# Altium PCB OFDMT1.PcbDoc (part 1 of 3)
Units mm, origin at the board's own origin, x right, y up, seen from the top; angles counter-clockwise.
Board outline 40.21 x 28.18 mm, 6 copper layers (Top Layer, GND1, SIGNAL, POWER, GND2, Bottom Layer), stack 0.816 mm thick; 270 components, 194 nets, 1281 pads, 664 vias.
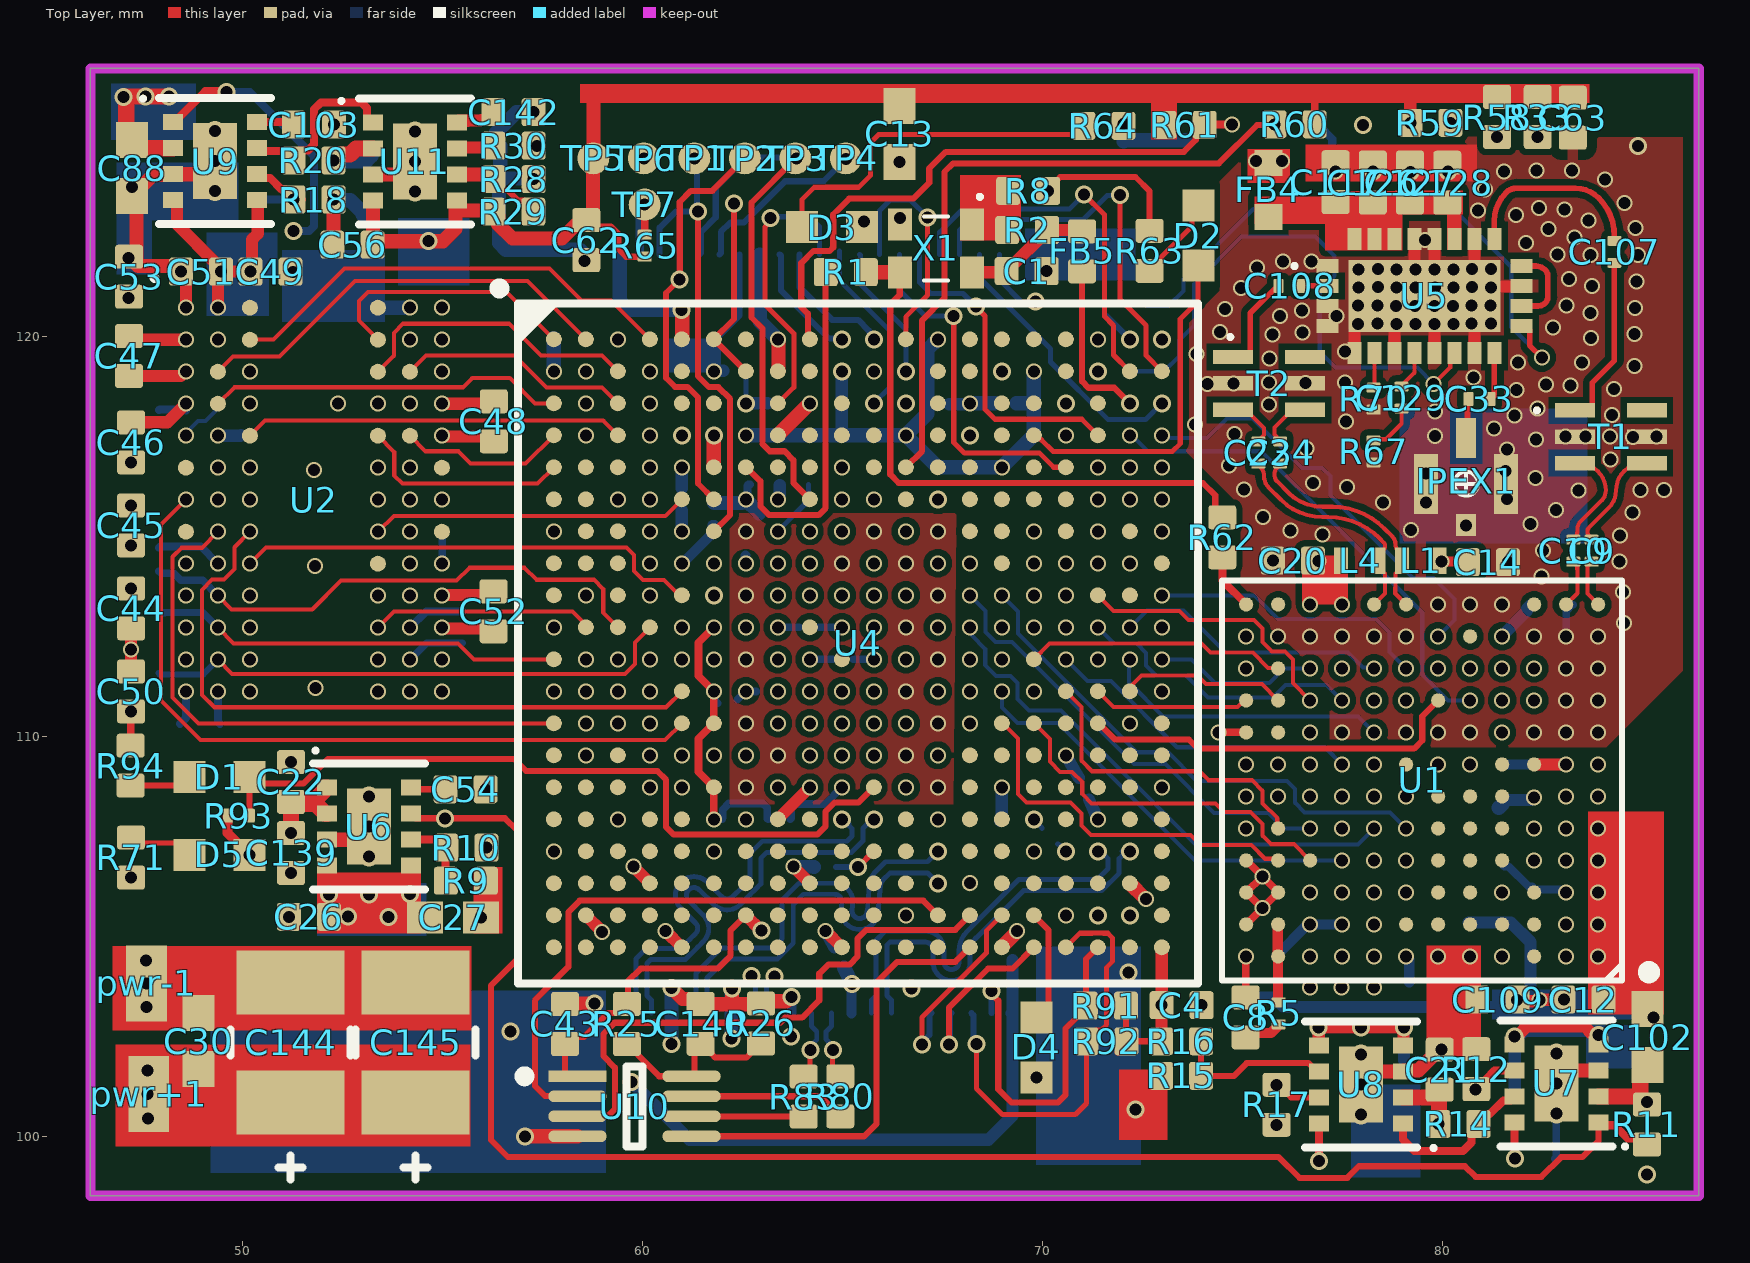
[diagram p0: Top Layer view]
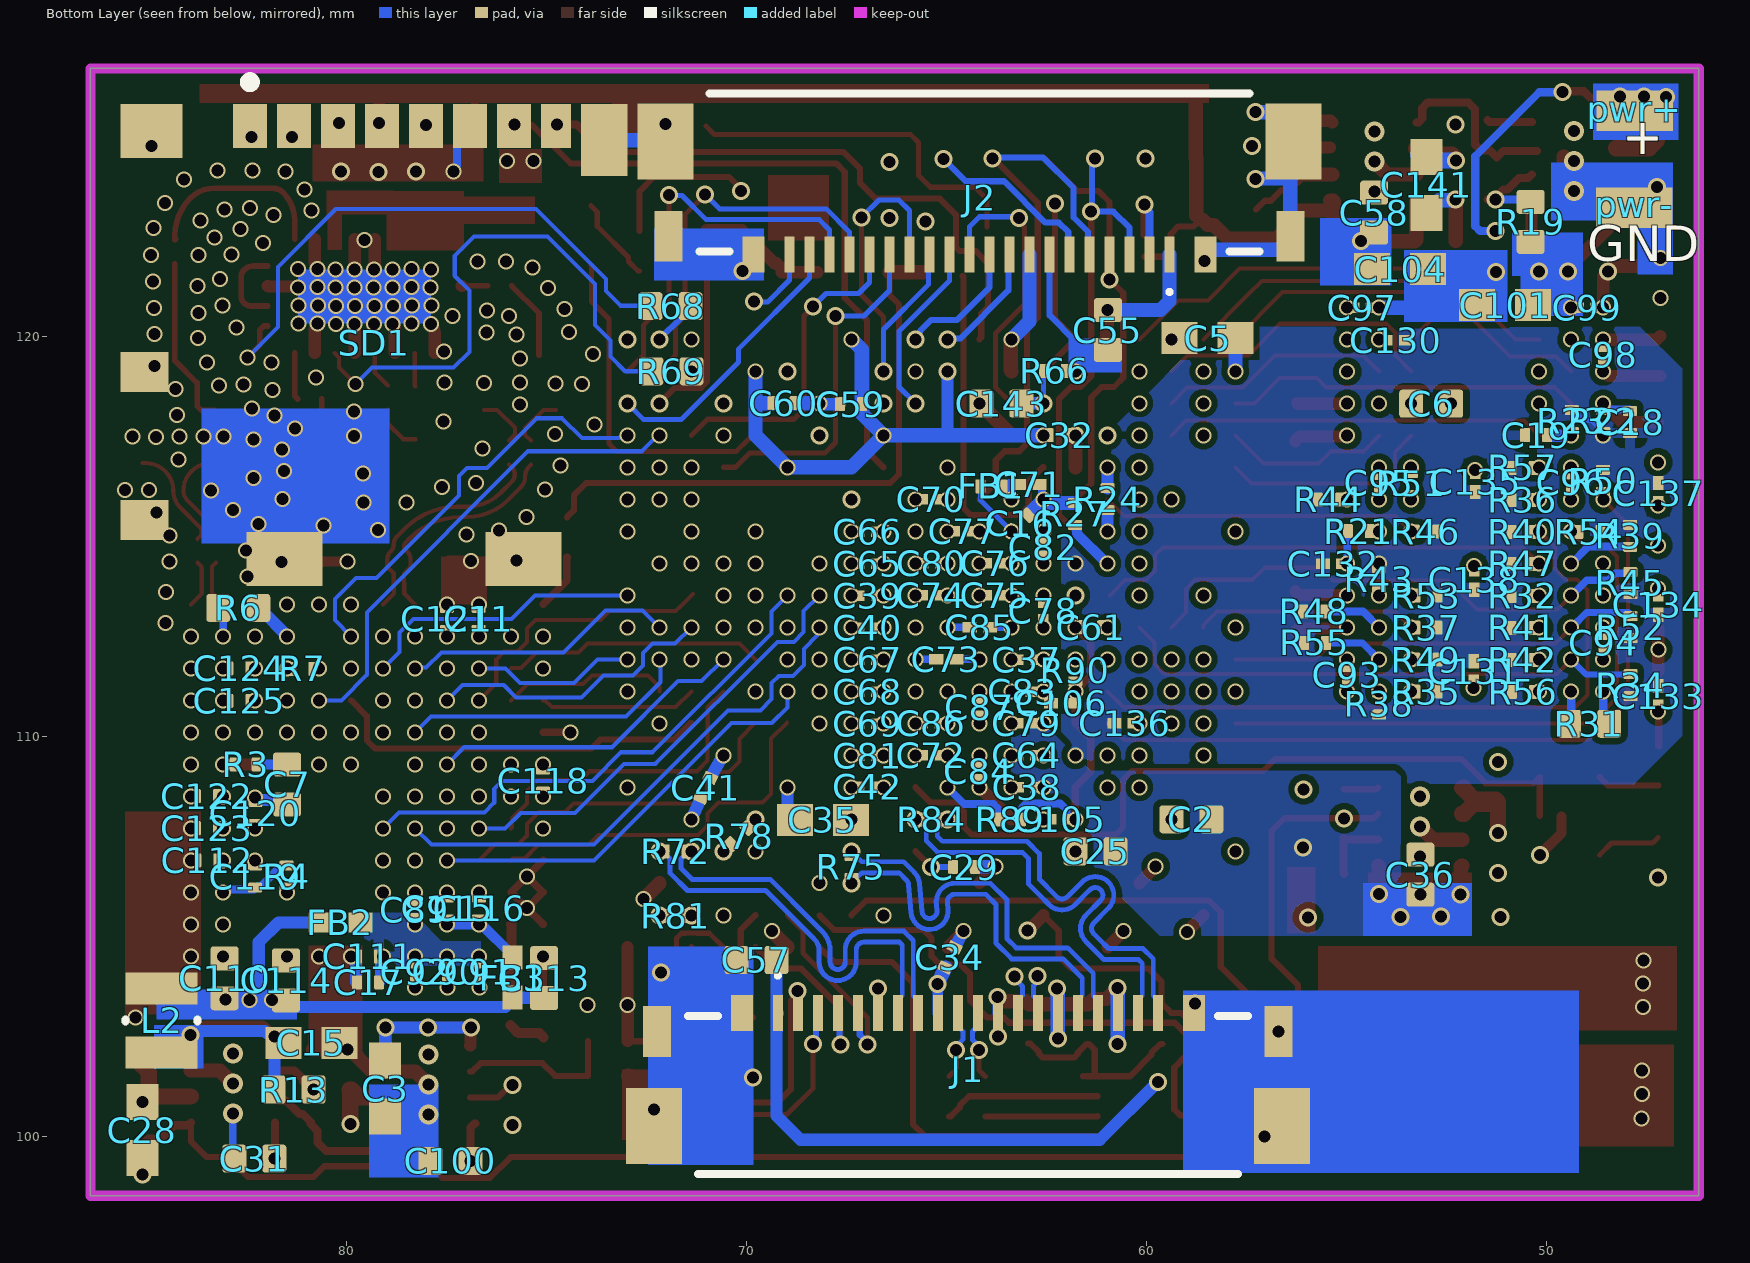
[diagram p1: Bottom Layer view, seen from below]
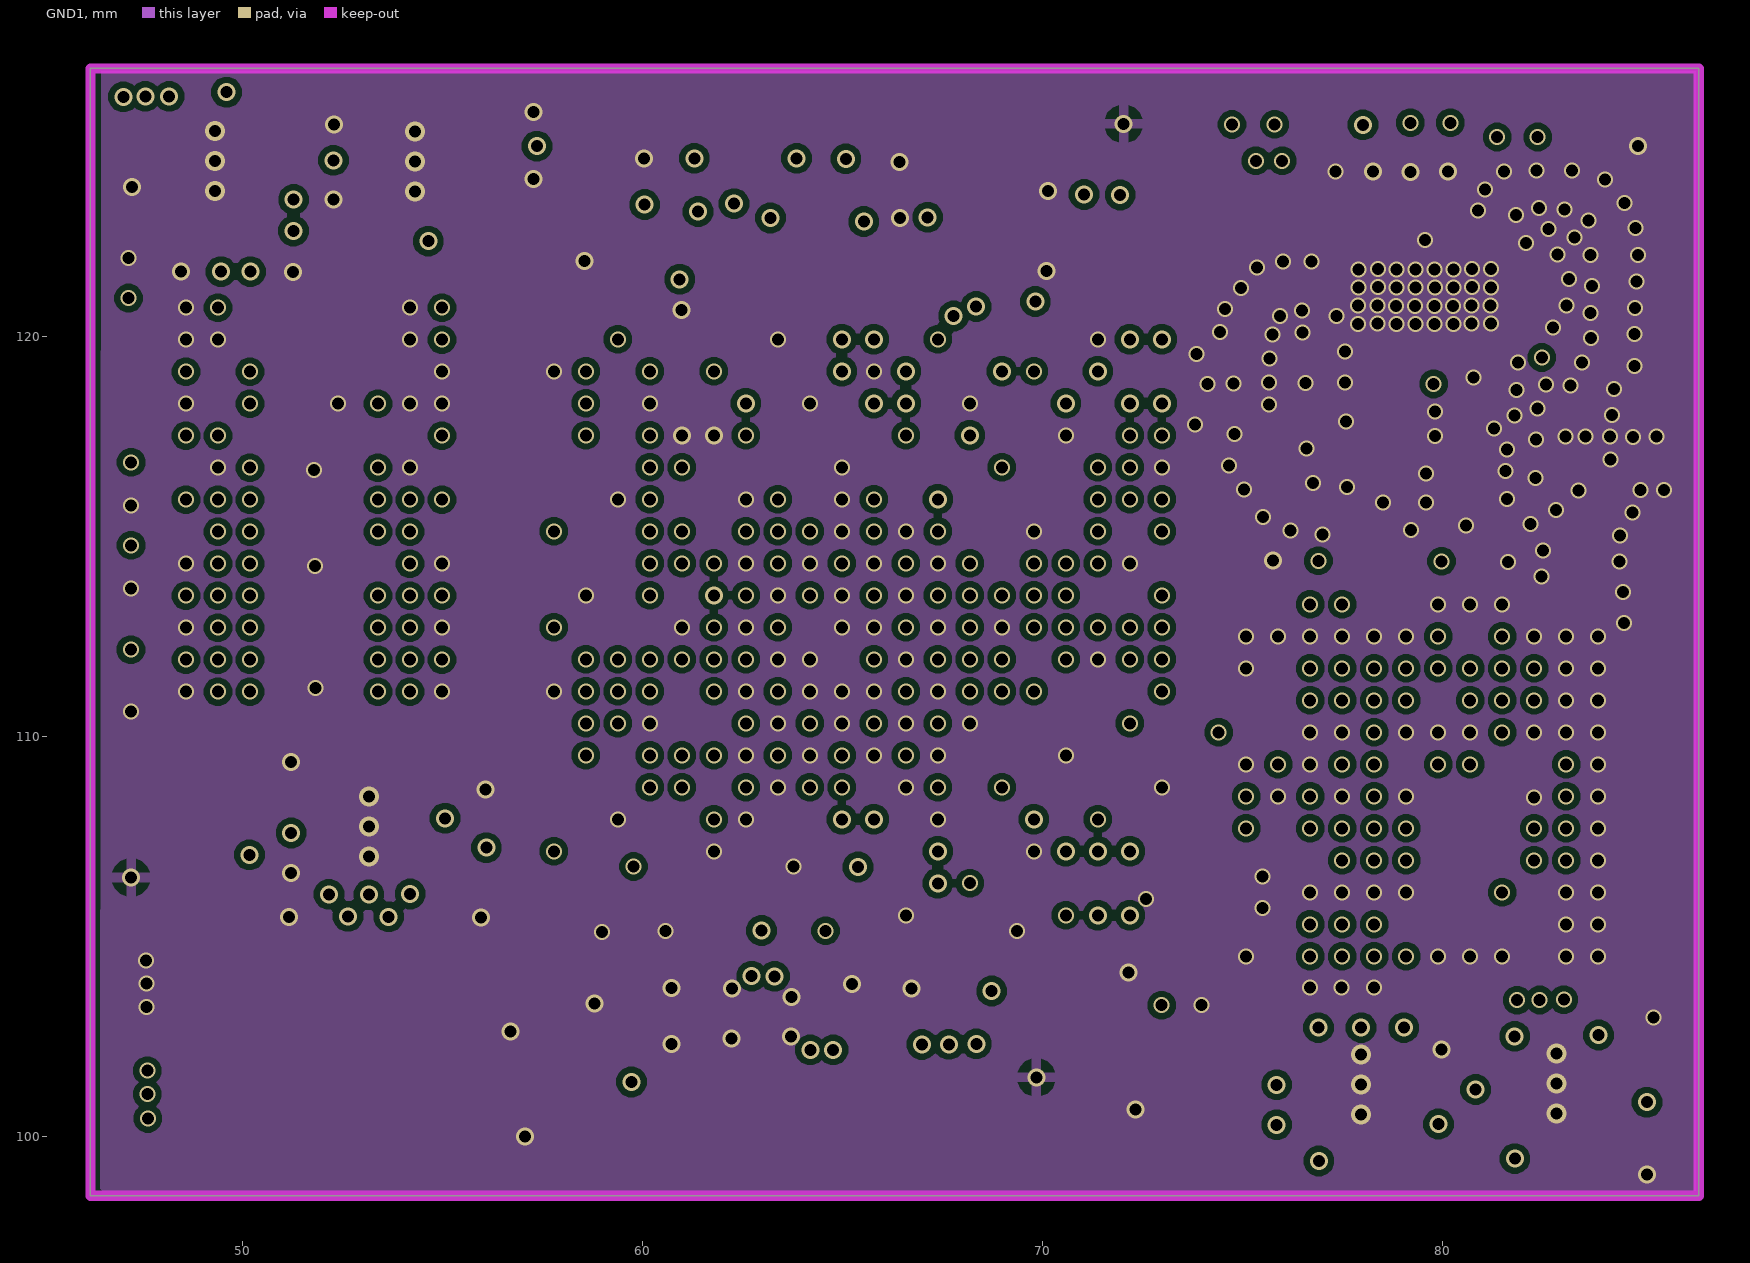
[diagram p2: GND1]
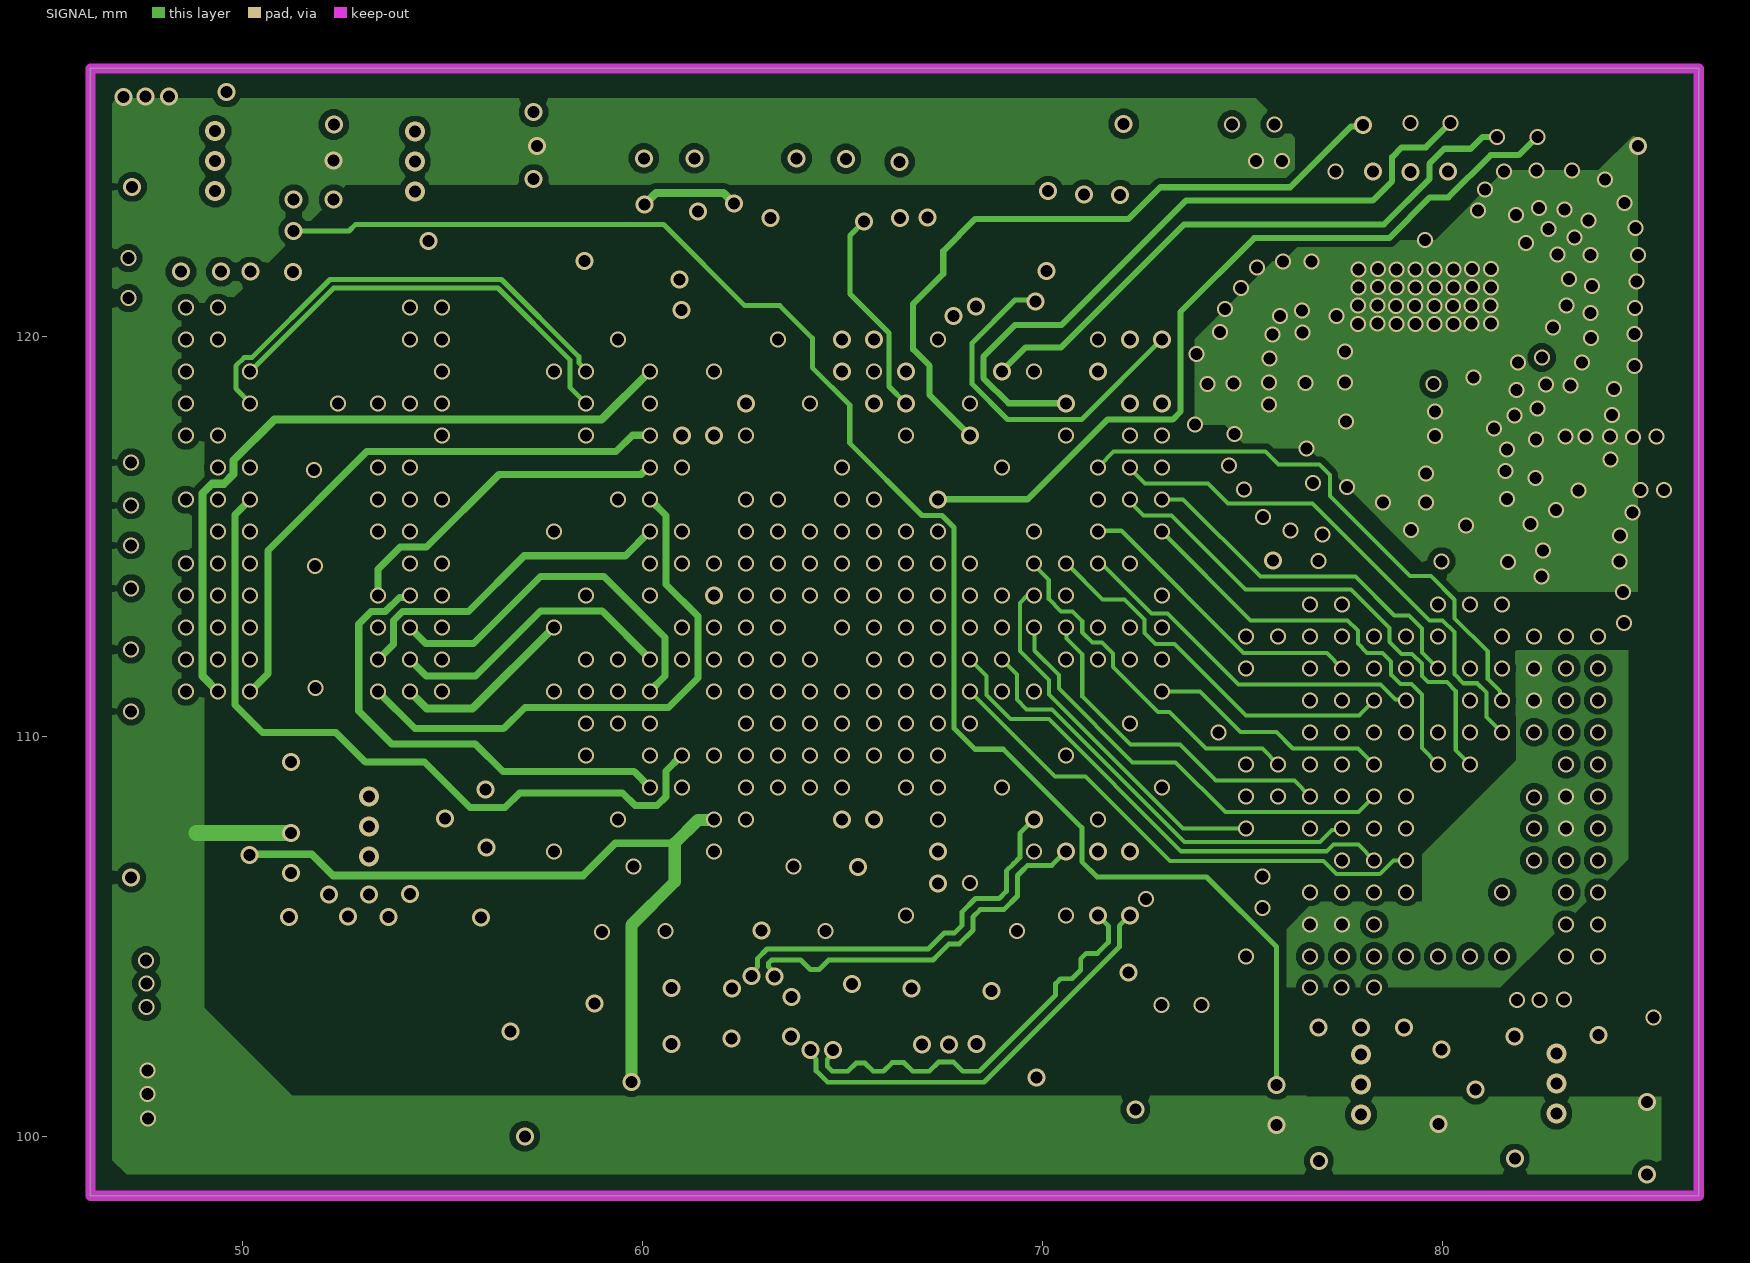
[diagram p3: SIGNAL]
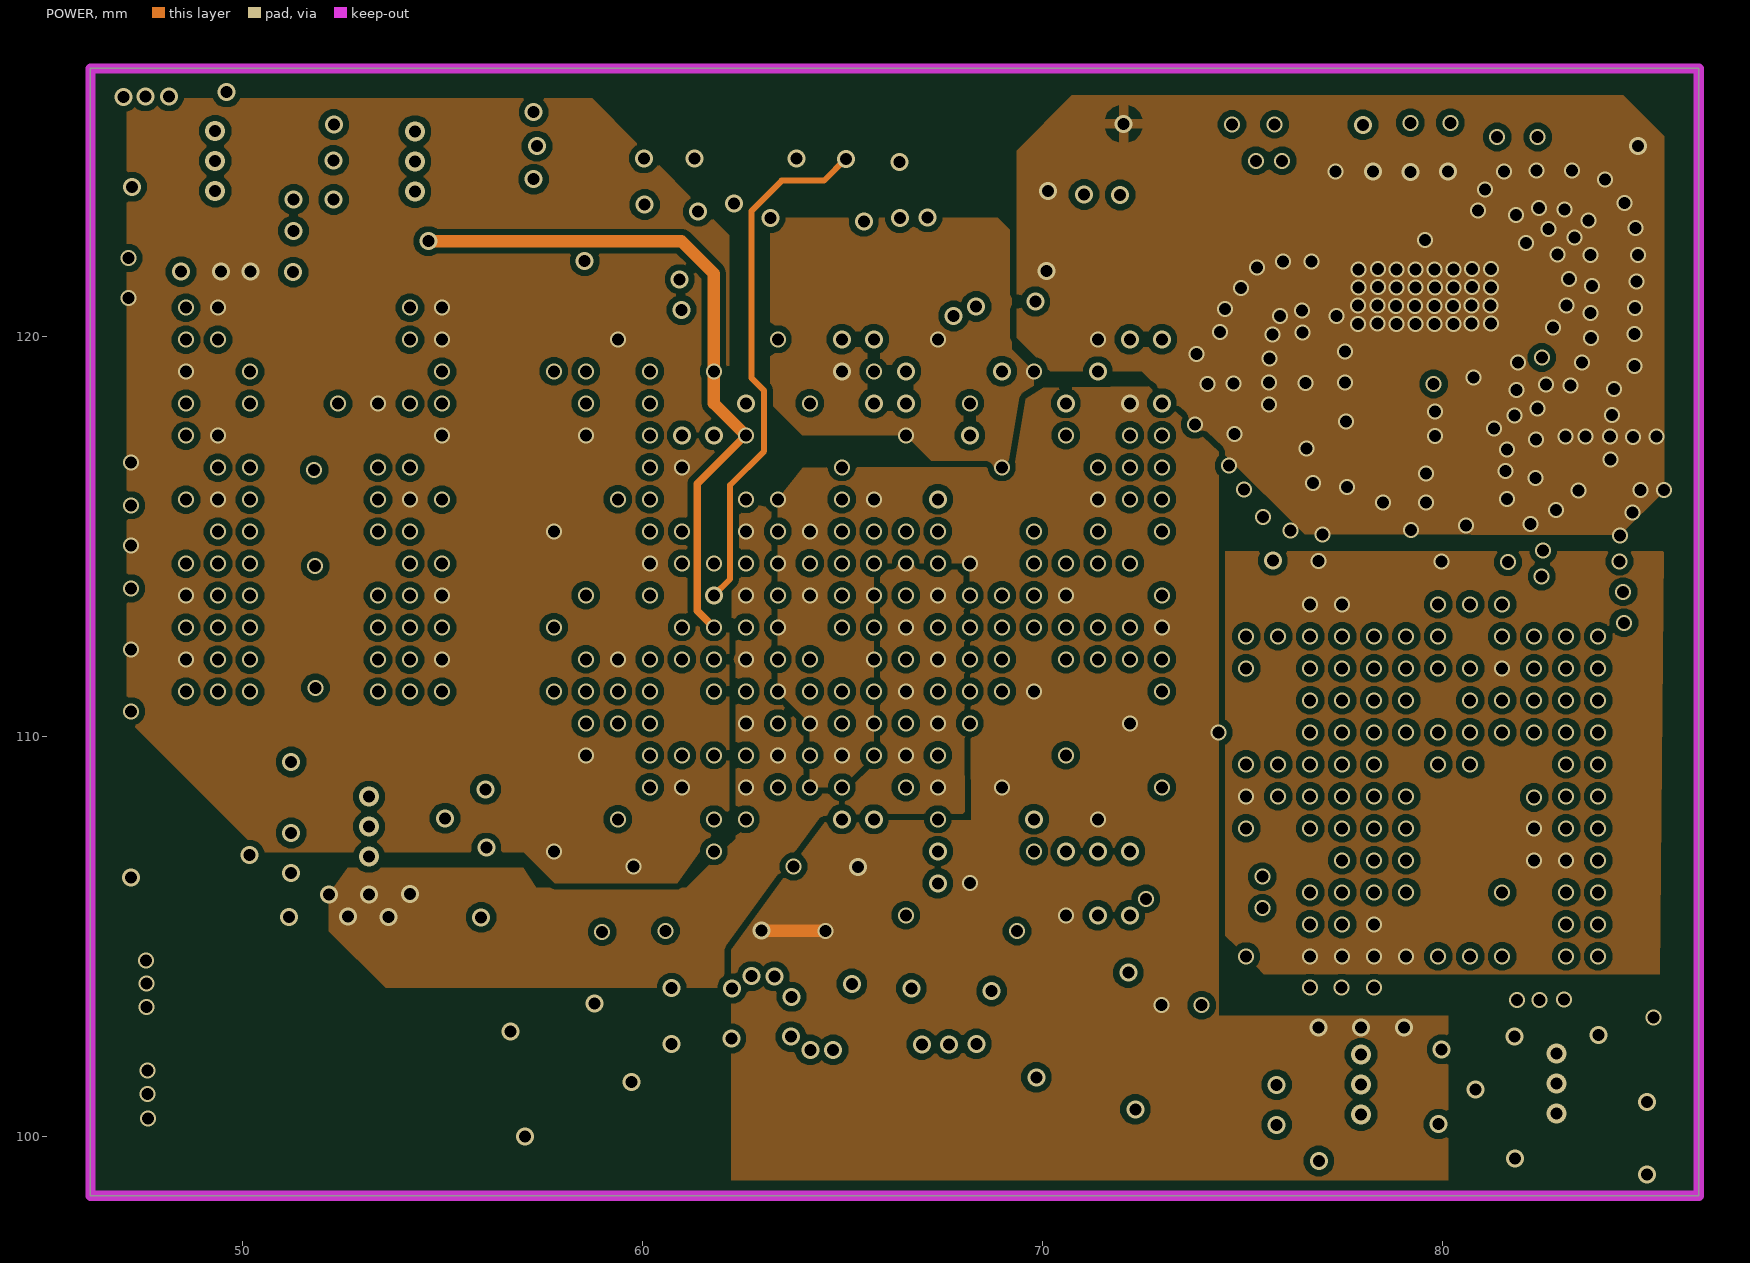
[diagram p4: POWER]
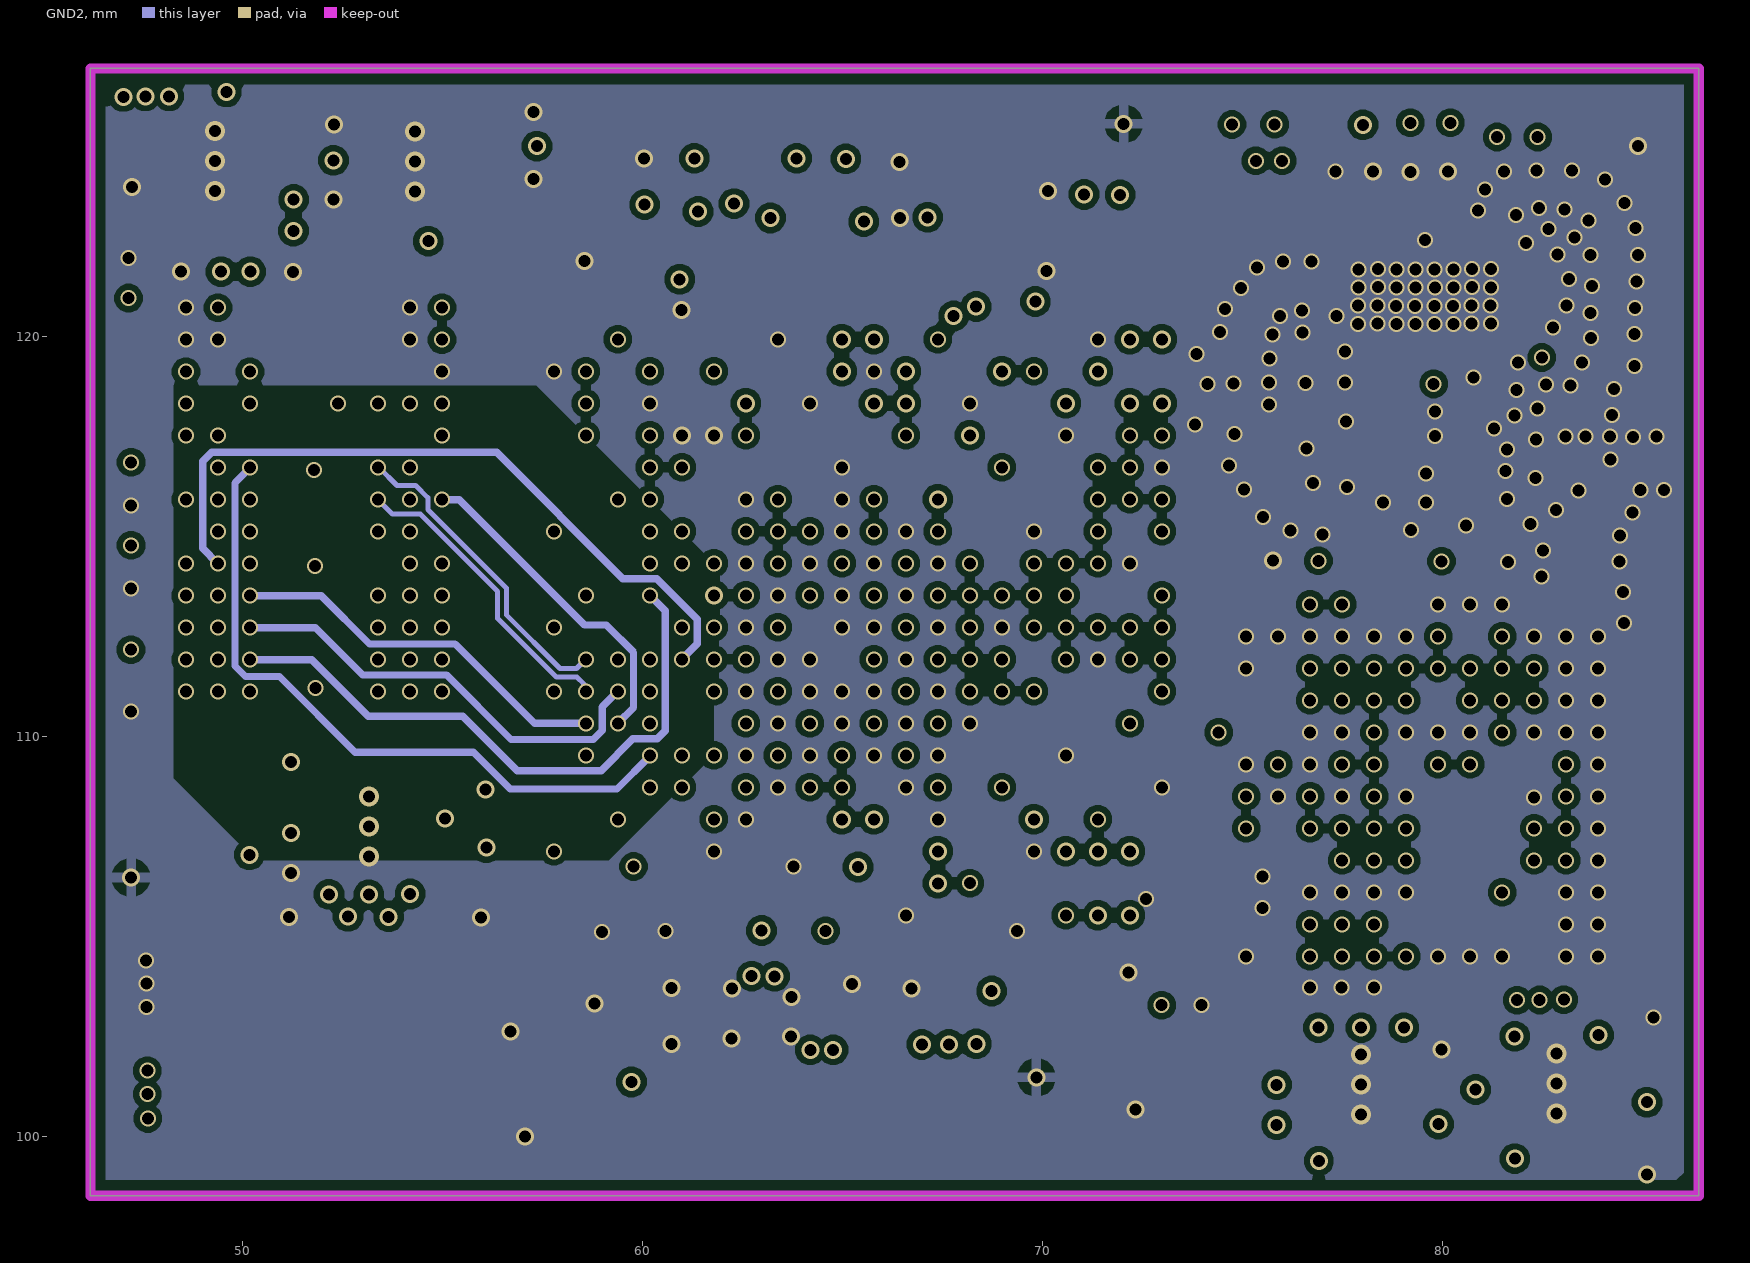
[diagram p5: GND2]
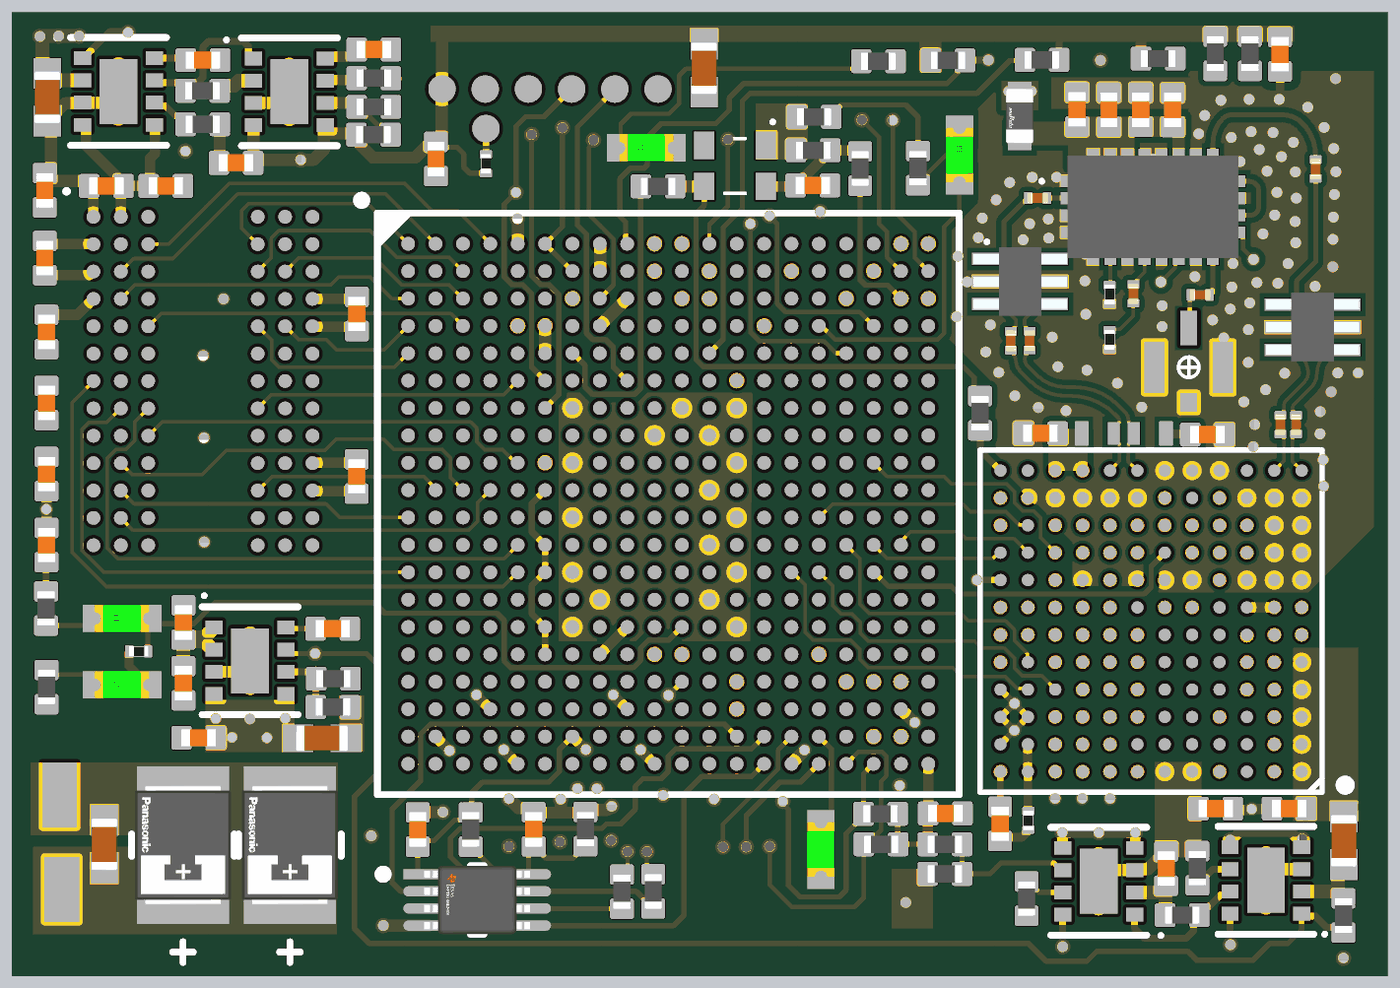
[diagram p8: 3D render of the assembled board from above, using the file's embedded part models]
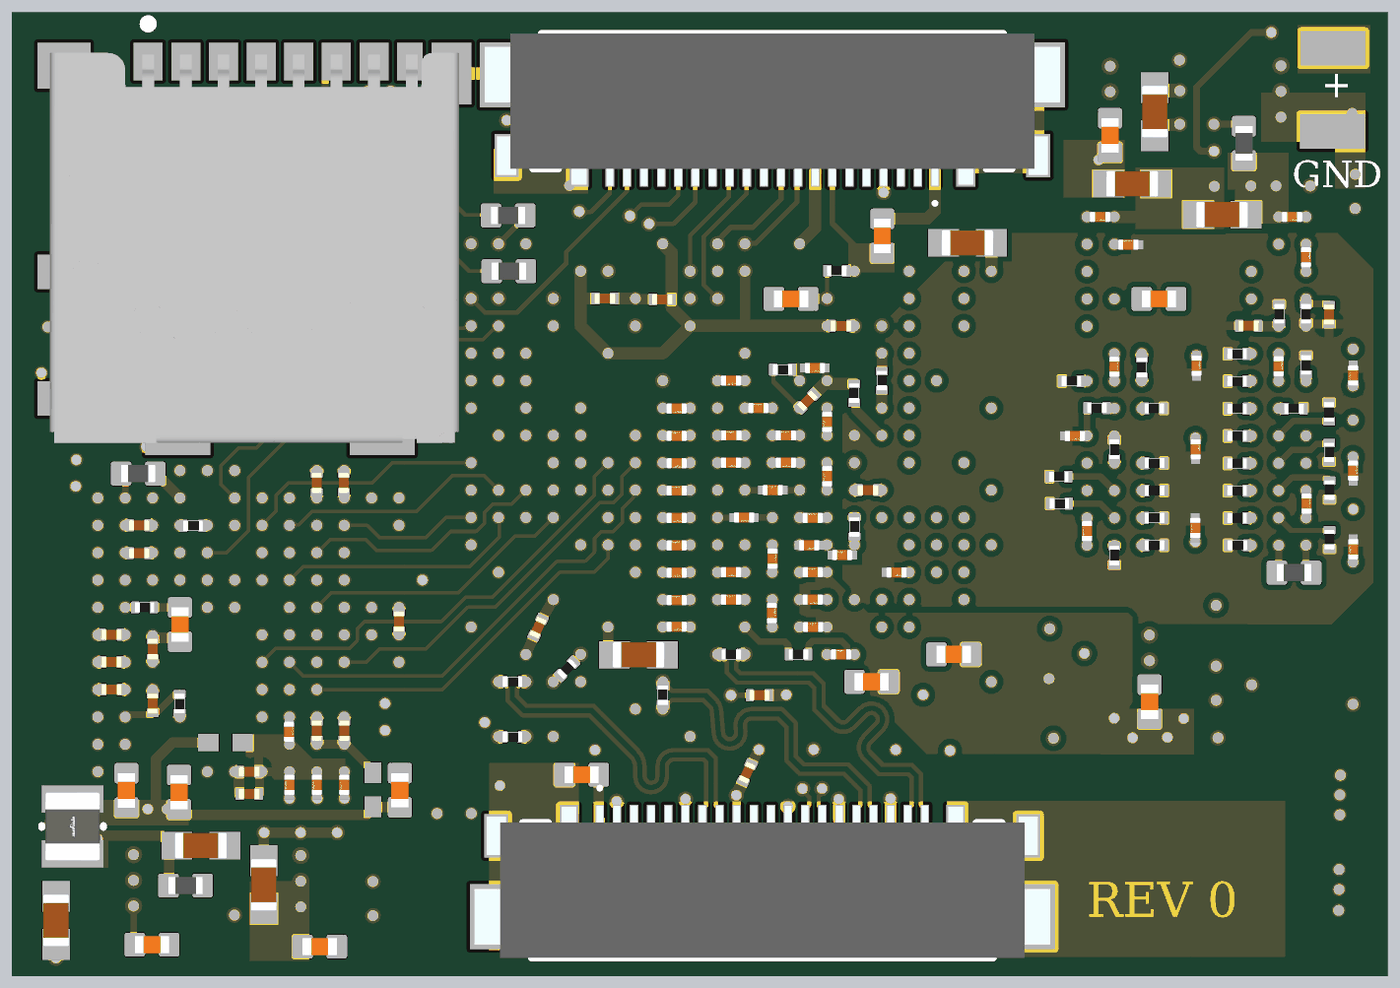
[diagram p9: 3D render of the assembled board from below, using the file's embedded part models]

## Layer stack, top to bottom
Top Solder: solder mask 0.0102, Solder Resist, Dk 3.5
Top Layer: signal copper 0.0356
Dielectric 2: prepreg 0.0711, PP-006, Dk 4.1
GND1: signal copper 0.035
Dielectric 4: prepreg 0.0711, PP-006, Dk 4.1
SIGNAL: signal copper 0.035
Dielectric 1: dielectric 0.32, FR-4, Dk 4.8
POWER: signal copper 0.035
Dielectric 5: prepreg 0.0711, PP-006, Dk 4.1
GND2: signal copper 0.035
Dielectric 3: prepreg 0.0711, PP-006, Dk 4.1
Bottom Layer: signal copper 0.0356
Bottom Solder: solder mask 0.0102, Solder Resist, Dk 3.5

## Board outline
46.203,98.514 46.203,126.695 86.411,126.695 86.411,98.514

## Design rules (kind name [scope] priority, off if disabled: settings)
Clearance [InNamedPolygon('NONET_L02_P-001')] p1: gap=0.152 ignorepadtopadclearanceinfootprint=TRUE
Clearance Clearance_1 [All] p2: gap=0.089 ignorepadtopadclearanceinfootprint=FALSE except(0: Arc-Hole Track-Hole SMDPad-Hole THPad-Hole Via-Hole Fill-Hole Poly-Hole Region-Hole Text-Hole)
DiffPairsRouting [All] p1: maxlimit=0.254 minlimit=0.152 mostfreqgap=0.152 toplayer_minwidth=0.102 toplayer_maxwidth=0.254 toplayer_prefwidth=0.123 midlayer1_minwidth=0.102 midlayer1_maxwidth=0.254 midlayer1_prefwidth=0.123 midlayer2_minwidth=0.102 midlayer2_maxwidth=0.254 midlayer2_prefwidth=0.123 midlayer3_minwidth=0.102 midlayer3_maxwidth=0.254 midlayer3_prefwidth=0.123 midlayer4_minwidth=0.102 midlayer4_maxwidth=0.254 midlayer4_prefwidth=0.123 bottomlayer_minwidth=0.102 bottomlayer_maxwidth=0.254 bottomlayer_prefwidth=0.123 maxuncoupledlength=12.7
MinimumSolderMaskSliver [All] p1: minsoldermaskwidth=0.025
PolygonConnect [All] p1: connectstyle=Relief reliefconductorwidth=0.254 reliefentries=4 polygonreliefangle="90 Angle" airgapwidth=0.254
RoutingVias [All] p1: holewidth=0.711 width=1.27 viastyle="Through Hole" minholewidth=0.711 minwidth=1.27 maxholewidth=0.711 maxwidth=1.27
SilkToSolderMaskClearance [IsPad] p1: minsilkscreentomaskgap=0.025 clearancetoexposedcopper=TRUE
SolderMaskExpansion [All] p1: expansion=0.102 istentingtop=FALSE
Width [All] p1: maxlimit=5.08 minlimit=0.076 preferedwidth=0.191
27 further rules are at their usual default settings.

## Classes and differential pairs
component class DDRmem: C18 C19 R21 R22 R23 R24 R27 R31 R32 R34 R35 R36 R37 R38 R39 R40 R41 R42 R43 R44 R45 R46 R47 R48 R49 R50 R51 R52 R53 R54 R55 R56 R57 U2
component class Power: C2 C3 C4 C5 C6 C12 C13 C15 C21 C22 C25 C26 C27 C28 C29 C30 C31 C32 C34 C35 C36 C37 C38 C39 C40 C41 C42 C44 C45 C46 C47 C48 C49 C50 C51 C52 C53 C54 C55 C56 C57 C58 C59 C60 C61 C62 C63 C64 C65 C66 C67 C68 C69 C70 C71 C72 C73 C74 C75 C76 C77 C78 C79 C80 C81 C82 C83 C84 C85 C86 C87 C88 C89 C90 C91 C92 C93 C94 C95 C96 C97 C98 C99 C100 C101 C102 C103 C104 C105 C106 C130 C131 C132 C133 C134 C135 C136 C137 C138 C139 C141 C142 C144 C145 D5 L2 pwr+ pwr+1 pwr- pwr-1 R9 R10 R11 R12 R13 R14 R15 R16 R17 R18 R19 R20 R28 R29 R30 R71 U6 U7 U8 U9 U11
component class CoreBoard: C1 C16 C43 C140 C143 D1 D2 D3 D4 FB1 FB5 J1 J2 R1 R2 R8 R25 R26 R33 R58 R59 R60 R61 R62 R63 R64 R65 R66 R72 R75 R78 R80 R81 R83 R84 R89 R90 R91 R92 R93 R94 SD1 TP1 TP2 TP3 TP4 TP5 TP6 TP7 U4 U10 X1
component class RFFE: C9 C10 C23 C24 C33 C107 C108 C117 C126 C127 C128 C129 FB4 IPEX1 R67 R68 R69 R70 T1 T2 U5
component class AD9361: C7 C8 C11 C14 C17 C20 C109 C110 C111 C112 C113 C114 C115 C116 C118 C119 C120 C121 C122 C123 C124 C125 FB2 FB3 L1 L4 R3 R4 R5 R6 R7 U1
differential pair MIPI_D0: +MIPI_D0_P -MIPI_D0_N
differential pair MIPI_D1: +MIPI_D1_P -MIPI_D1_N
differential pair MIPI_D2: +MIPI_D2_P -MIPI_D2_N
differential pair MIPI_D3: +MIPI_D3_P -MIPI_D3_N
differential pair MIPI_CLK0: +MIPI_CLK0_P -MIPI_CLK0_N
differential pair RX1A: +RX1A_P -RX1A_N
differential pair TX1A: +TX1A_P -TX1A_N
differential pair AD9361_TX1A: +AD9361_TX1A_P -AD9361_TX1A_N
differential pair AD9361_RX1A: +AD9361_RX1A_P -AD9361_RX1A_N